# KiCad board misrc_v2.5_front_panel.kicad_pcb
date: 2025-10-15
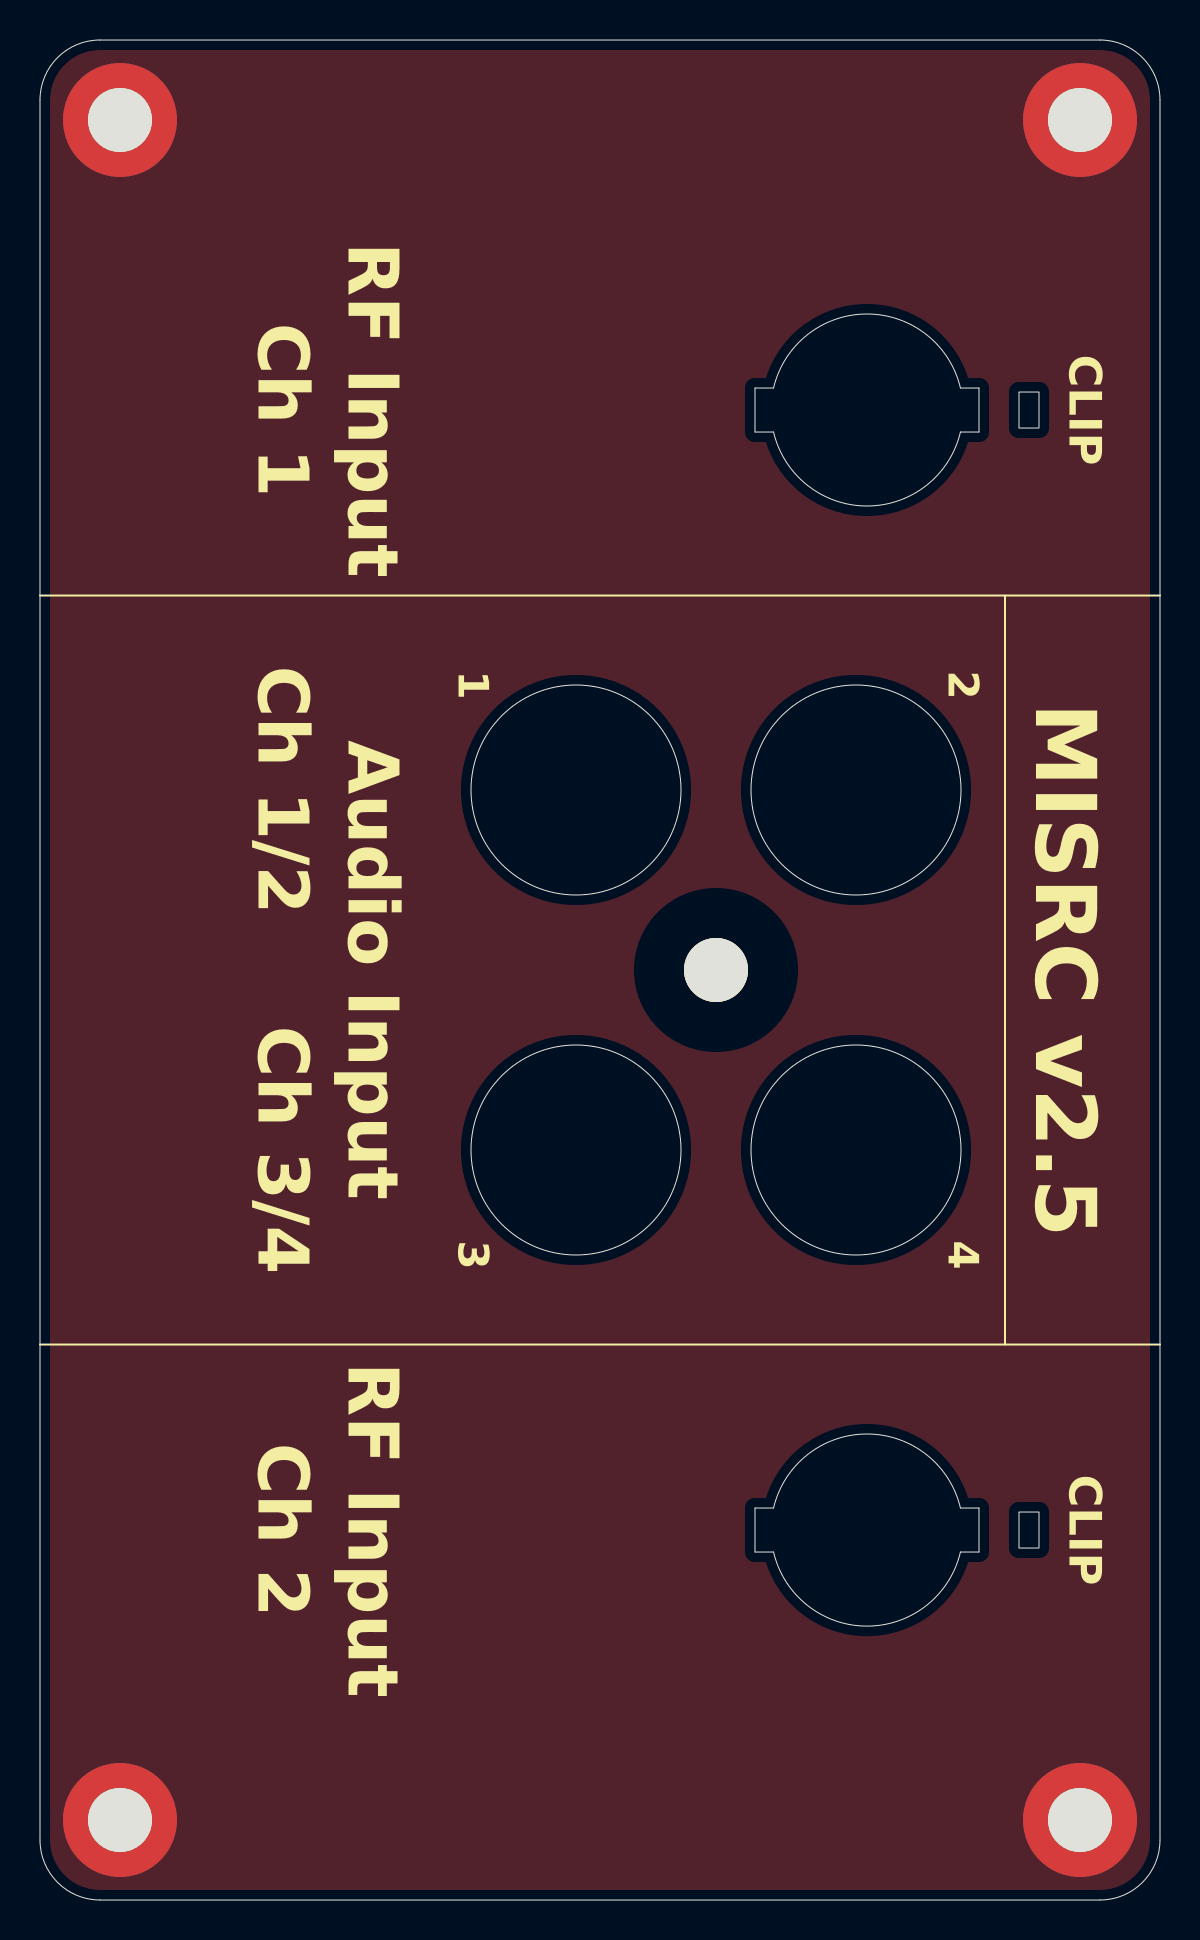
[diagram p0: board, top side]
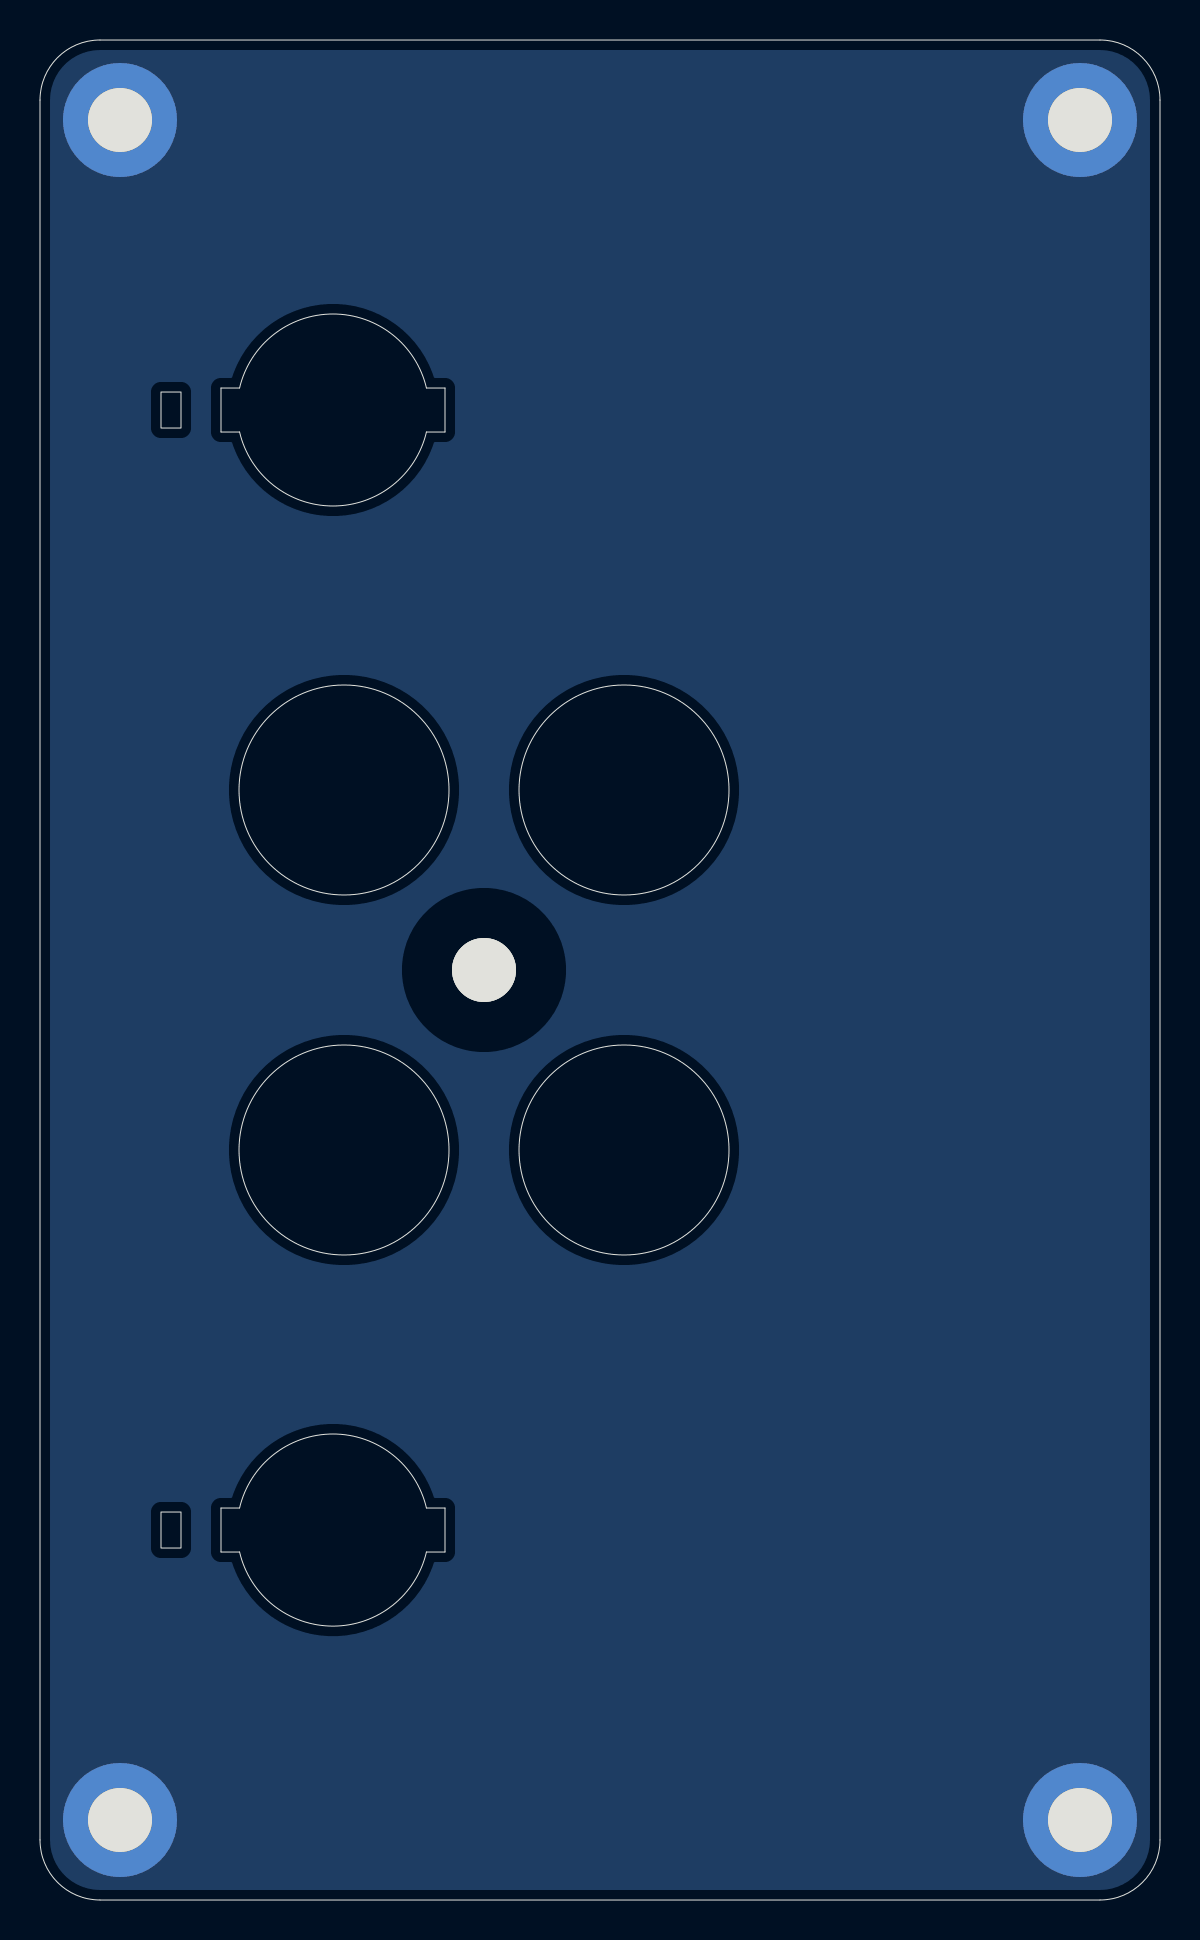
[diagram p1: board, bottom side, seen from below]

Outline 56 x 93 mm; copper layers: Top, Bottom. Coordinates in mm from the lower left corner of the outline.
Outline path: circle c26.8,55.5 r5.25 ; circle c26.8,37.5 r5.25 ; circle c40.8,55.5 r5.25 ; circle c40.8,37.5 r5.25 ; rectangle 48.95,75.4 49.95,73.6 ; rectangle 48.95,19.4 49.95,17.6 ; 0,90 0,3 arc(0.88,0.88) 3,0 53,0 arc(55.12,0.88) 56,3 56,90 arc(55.12,92.12) 53,93 3,93 arc(0.88,92.12) 0,90 ; 35.75,75.6 35.75,73.4 36.68,73.4 arc(41.35,69.7) 46.02,73.4 46.95,73.4 46.95,75.6 46.02,75.6 arc(41.35,79.3) 36.68,75.6 35.75,75.6 ; 35.75,17.4 35.75,19.6 36.68,19.6 arc(41.35,23.3) 46.02,19.6 46.95,19.6 46.95,17.4 46.02,17.4 arc(41.19,13.7) 36.68,17.4 35.75,17.4
Stack: Top 0.035mm / dielectric 1.51mm FR4 er 4.5 / Bottom 0.035mm

## Placement (name value [footprint] x y rotation side)
H1  MountingHole_Pad  [MountingHole_3.2mm_M3_ISO7380_Pad]  4 89 0 top
H2  MountingHole_Pad  [MountingHole_3.2mm_M3_ISO7380_Pad]  4 4 0 top
H3  MountingHole_Pad  [MountingHole_3.2mm_M3_ISO7380_Pad]  52 4 0 top
H4  MountingHole_Pad  [MountingHole_3.2mm_M3_ISO7380_Pad]  52 89 0 top
H5  MountingHole  [MountingHole_2.7mm_M2.5]  33.8 46.5 0 top

## Library data of the parts
H1-H4 = -: Description: Mounting Hole with connection; ki_fp_filters: MountingHole*Pad*
H5 = -: Description: Mounting Hole without connection; ki_fp_filters: MountingHole*

## Footprints (pads in the part's own frame, mm; a bottom-side part is the same pattern mirrored in y, then rotated)
MountingHole_2.7mm_M2.5
  round 3.2 hole 3.2 unplated: (0,0)
MountingHole_3.2mm_M3_ISO7380_Pad
  round 5.7 hole 3.2: 1(0,0)

## Nets
GND: H1.1 H2.1 H3.1 H4.1

## Copper pours and planes (outline as drawn; the poured copper is in the pictures)
GND on Top, Bottom: 0.42,92.51 0.42,0.43 55.59,0.43 55.59,92.51

## Text on the board
F.Silkscreen: 1 | 3 | 2 | 4 | CLIP | Ch 1 | Ch 1/2 | Ch 3/4 | Ch 2 | RF Input | Audio Input | MISRC v2.5
